# Altium PCB MCISO-P01-V01.PcbDoc
Units mil, origin at the board's own origin, x right, y up, seen from the top; angles counter-clockwise.
Board outline 6000 x 4000 mil, 2 copper layers (Top Layer, Bottom Layer); 122 components, 89 nets, 482 pads, 0 vias.
Unrouted connection lines stored in the file: 332.
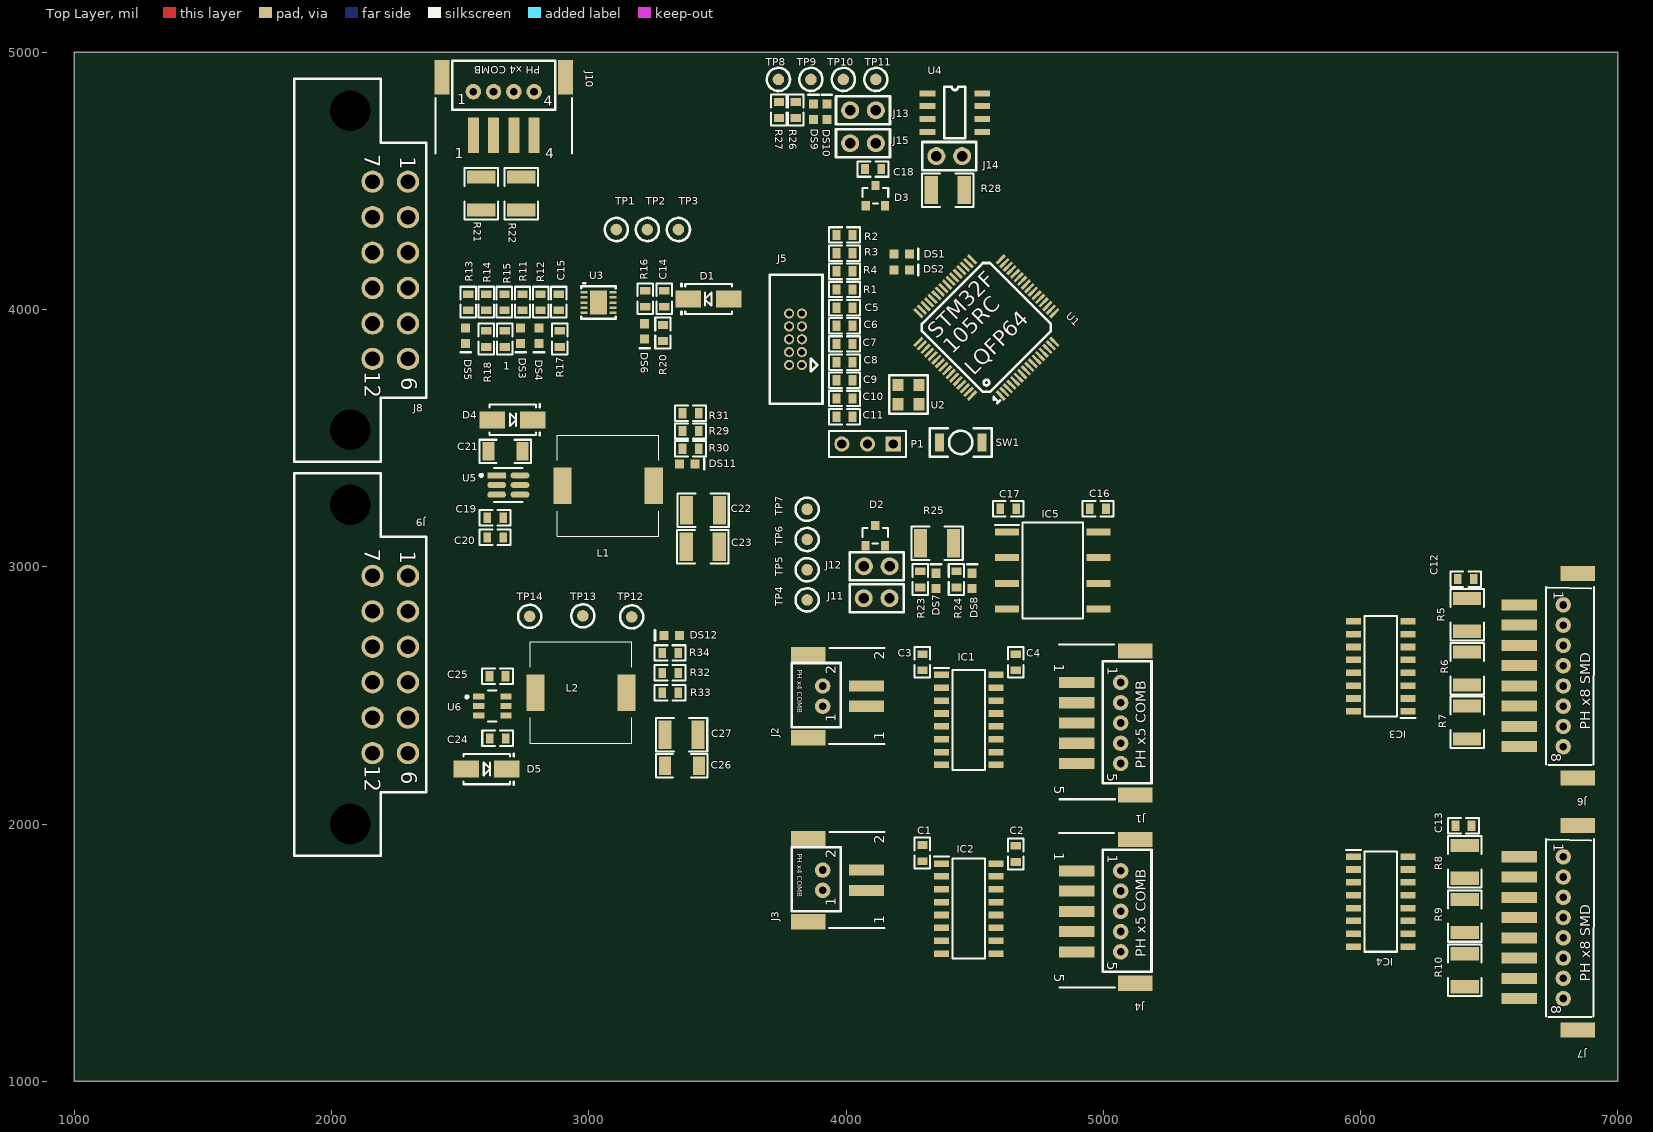
[diagram p0: Top Layer view]
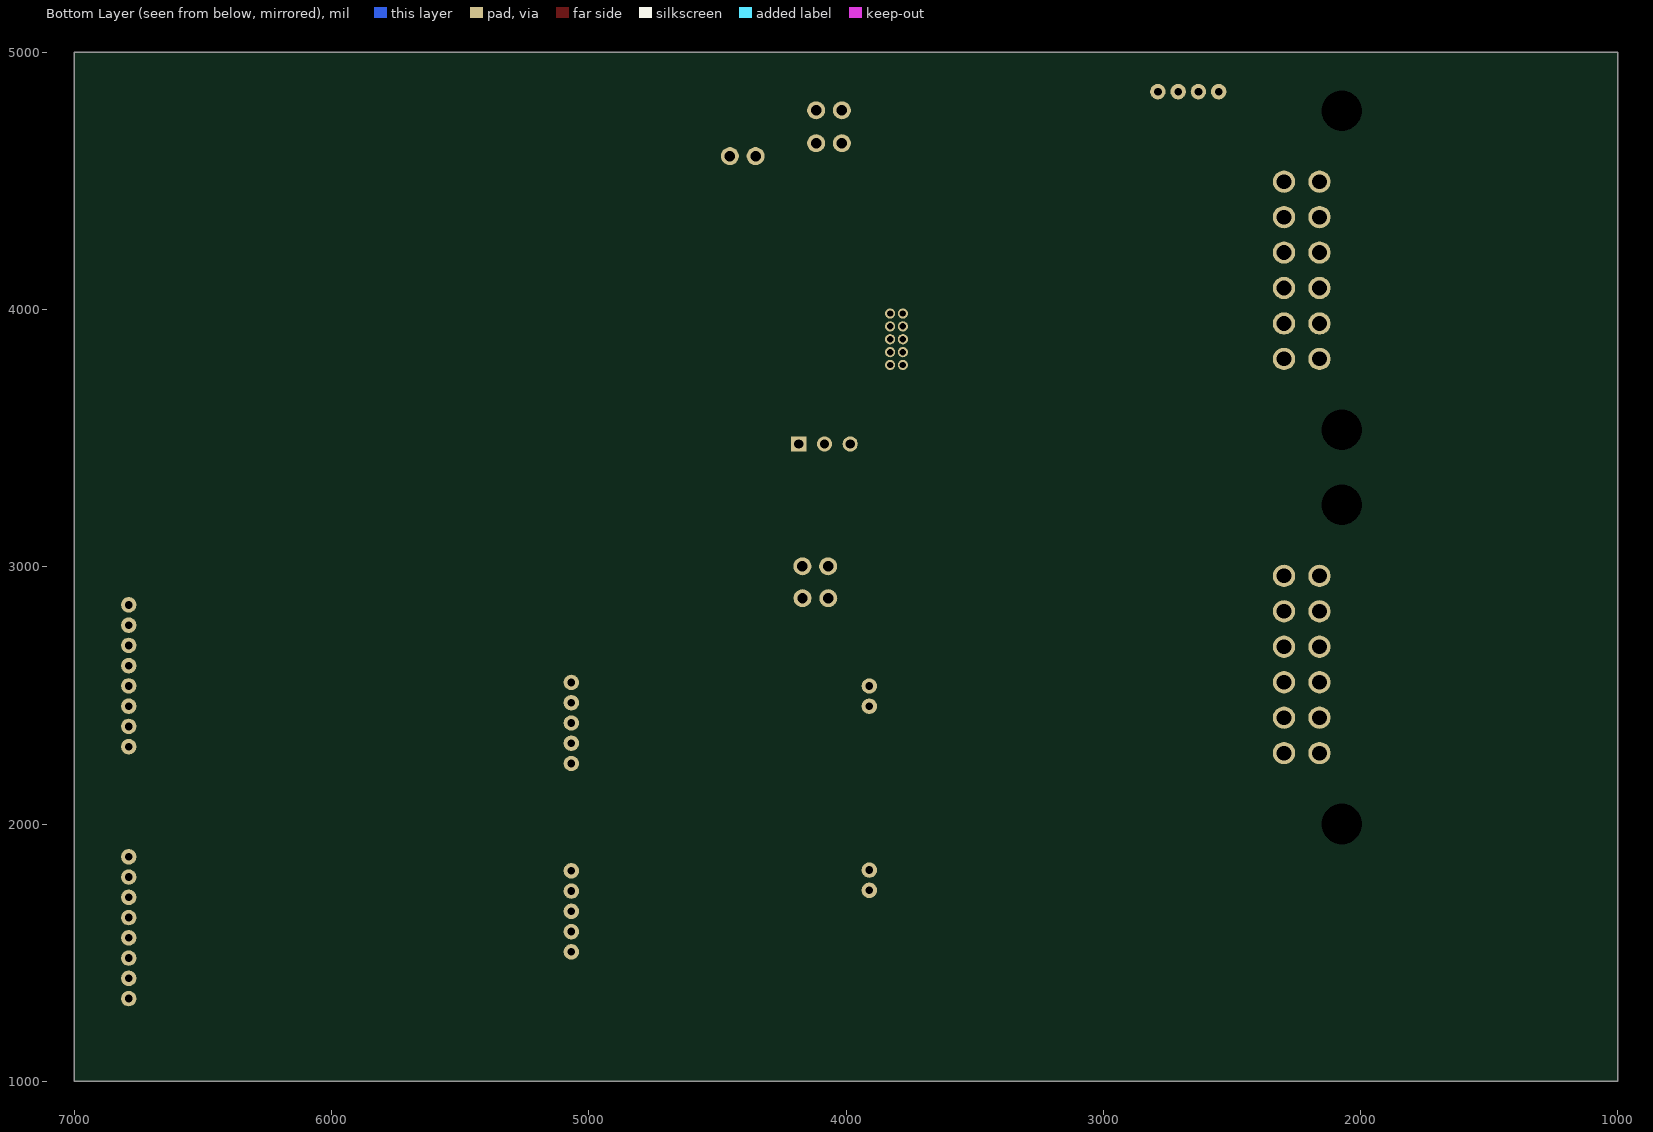
[diagram p1: Bottom Layer view, seen from below]

## Layer stack, top to bottom
Top Solder: solder mask 0.4, Solder Resist, Dk 3.5
Top Layer: signal copper 1.4
Dielectric 1: dielectric 12.6, FR-4, Dk 4.8
Bottom Layer: signal copper 1.4
Bottom Solder: solder mask 0.4, Solder Resist, Dk 3.5

## Board outline
1000,1000 7000,1000 7000,5000 1000,5000

## Design rules (kind name [scope] priority, off if disabled: settings)
Clearance [All] p1: gap=10 ignorepadtopadclearanceinfootprint=FALSE except(0: Arc-Hole Track-Hole SMDPad-Hole THPad-Hole Via-Hole Fill-Hole Poly-Hole Region-Hole Text-Hole)
PolygonConnect [All] p1: connectstyle=Relief reliefconductorwidth=10 reliefentries=4 polygonreliefangle="90 Angle" airgapwidth=10
RoomDefinition U_CAN_MAIN [InComponentClass('U_CAN_MAIN')] p1: confinementstyle=ConfineIn formatcopy=TRUE lockcomponents=FALSE outline 3675.18,4372.9 4625.97,4372.9 4625.97,4992 3675.18,4992
RoomDefinition U_MCISO-S04-V00-Microcontroller [InComponentClass('U_MCISO-S04-V00-Microcontroller')] p2: confinementstyle=ConfineIn formatcopy=TRUE lockcomponents=FALSE outline 3678.15,3413.39 4919.29,3413.39 4919.29,4342.52 3678.15,4342.52
RoomDefinition U_PSU5V-400mA [InComponentClass('U_PSU5V-400mA')] p3: confinementstyle=ConfineIn formatcopy=TRUE lockcomponents=FALSE outline 2437.31,2993.11 3636.13,2993.11 3636.13,3656.5 2437.31,3656.5
RoomDefinition U_PSU3V3-300mA [InComponentClass('U_PSU3V3-300mA')] p4: confinementstyle=ConfineIn formatcopy=TRUE lockcomponents=FALSE outline 2437.31,2129.92 3592.82,2129.92 3592.82,2955.71 2437.31,2955.71
RoomDefinition U_VCU-S02-V00-12VProtection [InComponentClass('U_VCU-S02-V00-12VProtection')] p5: confinementstyle=ConfineIn formatcopy=TRUE lockcomponents=FALSE outline 3665.35,4987.2 1004.92,4987.2 1004.92,1837.6 3665.35,1837.6
RoomDefinition U_MCISO-S05-V00-CANIsolation [InComponentClass('U_MCISO-S05-V00-CANIsolation')] p6: confinementstyle=ConfineIn formatcopy=TRUE lockcomponents=FALSE outline 3694.36,2774.61 5150.33,2774.61 5150.33,3334.65 3694.36,3334.65
RoomDefinition U_MCISO-S08-V00-HallDifferentials [InComponentClass('U_MCISO-S08-V00-HallDifferentials')] p7: confinementstyle=ConfineIn formatcopy=TRUE lockcomponents=FALSE outline 6962.6,1063.39 6962.6,3115.64 5774.35,3115.64 5774.35,1063.39
RoomDefinition MCISO-S01-V00-Master [InComponentClass('MCISO-S01-V00-Master')] p8: confinementstyle=ConfineIn formatcopy=TRUE lockcomponents=FALSE outline 3694.72,1243.11 5208.5,1243.11 5208.5,2708.66 3694.72,2708.66
RoutingVias [All] p1: holewidth=28 width=50 viastyle="Through Hole" minholewidth=28 minwidth=50 maxholewidth=28 maxwidth=50
SolderMaskExpansion [All] p1: expansion=4 istentingtop=FALSE
Width [All] p1: maxlimit=10 minlimit=10 preferedwidth=10
30 further rules are at their usual default settings.

## Classes and differential pairs
component class U_PSU5V-400mA: C19 C20 C21 C22 C23 D4 DS11 L1 R29 R30 R31 U5
component class U_PSU3V3-300mA: C24 C25 C26 C27 D5 DS12 L2 R32 R33 R34 TP12 TP13 TP14 U6
component class U_CAN_MAIN: C18 D3 DS9 DS10 J13 J14 J15 R26 R27 R28 TP8 TP9 TP10 TP11 U4
component class U_MCISO-S05-V00-CANIsolation: C16 C17 D2 DS7 DS8 IC5 J11 J12 R23 R24 R25 TP4 TP5 TP6 TP7
component class U_VCU-S02-V00-12VProtection: 1 C14 C15 D1 DS3 DS4 DS5 DS6 J8 J9 J10 R11 R12 R13 R14 R15 R16 R17 R18 R20 R21 R22 TP1 TP2 TP3 U3
component class U_MCISO-S08-V00-HallDifferentials: C12 C13 IC3 IC4 J6 J7 R5 R6 R7 R8 R9 R10
component class U_MCISO-S04-V00-Microcontroller: C5 C6 C7 C8 C9 C10 C11 DS1 DS2 J5 P1 R1 R2 R3 R4 SW1 U1 U2
component class MCISO-S01-V00-Master: C1 C2 C3 C4 Connector? IC1 IC2 J1 J2 J3 J4 NCM?

## Components (designator, comment, footprint, x,y, rotation, side; value= is the part's Value field where it differs from the comment)
1 "240k 5%" Res_ThinFilm_0603 2673.11,3885.83 r90 top (schematic designator R19)
C1 "100nF" Cap_Ceramic_0603 4297.09,1886.81 r270 top
C2 "100nF" Cap_Ceramic_0603 4660.28,1883.86 r270 top
C3 "100nF" Cap_Ceramic_0603 4297.09,2628.94 r270 top
C4 "100nF" Cap_Ceramic_0603 4660.28,2628.94 r270 top
C5 "100nF" Cap_Ceramic_0603 3993.94,4007.39 r0 top
C6 "100nF" Cap_Ceramic_0603 3993.94,3936.77 r0 top
C7 "100nF" Cap_Ceramic_0603 3993.94,3866.15 r0 top
C8 "100nF" Cap_Ceramic_0603 3993.94,3795.53 r0 top
C9 "4u7" Cap_Ceramic_0603 3993.94,3724.91 r0 top
C10 "100nF 100V" Cap_Ceramic_0603 3993.94,3654.28 r0 top
C11 "100nF 100V" Cap_Ceramic_0603 3993.94,3583.66 r0 top
C12 "0.1u" Cap_Ceramic_0603 6409.37,2952.17 r180 top
C13 "0.1u" Cap_Ceramic_0603 6400.51,1993.5 r180 top
C14 "4u7 50V 5%" Cap_Ceramic_0603 3293.62,4042.02 r90 top
C15 "470nF 50V 5%" Cap_Ceramic_0603 2882.95,4028.54 r90 top
C16 "4u7" Cap_Ceramic_0603 4979.33,3225.39 r180 top
C17 "4u7" Cap_Ceramic_0603 4630.65,3225.39 r180 top
C18 "100nF 100V" Cap_Ceramic_0603 4105.3,4546.13 r0 top
C19 "100nF 50V" Cap_Ceramic_0603 2636.09,3190.94 r0 top
C20 "100nF 50V" Cap_Ceramic_0603 2636.09,3114.17 r0 top
C21 "22uF 35V 1206" Cap_Ceramic_1206 2676.09,3448.82 r0 top
C22 "47uF 16V 1210" Cap_Ceramic_1210 3444.2,3219.49 r0 top
C23 "47uF 16V 1210" Cap_Ceramic_1210 3443.21,3077.76 r0 top
C24 "100nF 50V" Cap_Ceramic_0603 2645.83,2332.68 r0 top
C25 "100nF 50V" Cap_Ceramic_0603 2645.1,2573.82 r0 top
C26 "22uF 35V" Cap_Ceramic_1206 3361.78,2226.38 r180 top
C27 "47uF 16V 1210" Cap_Ceramic_1210 3360.65,2346.46 r0 top
D1 "1N4448WQ-7-F" SMA 3465.63,4041.02 r180 top
D2 "NUP2105L" NUP2105L 4113.65,3121.06 r0 top
D3 "NUP2105L" NUP2105L 4114.16,4442.79 r0 top
D4 "B260A-13-F" SMA 2704.04,3570.87 r0 top
D5 "B260A-13-F" SMA 2602.78,2213.58 r0 top
DS1 "LED Orange" "LED ORANGE 0603" 4216.02,4215.55 r0 top
DS2 "LED Orange" "LED ORANGE 0603" 4216.02,4153.54 r0 top
DS3 "LED Red 0603" "LED RED 0603" 2735.37,3898.33 r270 top
DS4 "LED Red 0603" "LED RED 0603" 2806.62,3898.33 r270 top
DS5 "LED Green 0603" "LED GREEN 0603" 2521.6,3898.33 r270 top
DS6 "LED Green 0603" "LED GREEN 0603" 3217.59,3914.72 r270 top
DS7 "LED Blue 0603" "LED BLUE 0603" 4350.12,2944.79 r90 top
DS8 "LED Blue 0603" "LED BLUE 0603" 4490.66,2944.79 r90 top
DS9 "LED Blue 0603" "LED BLUE 0603" 3874,4769.56 r90 top
DS10 "LED Blue 0603" "LED BLUE 0603" 3925.18,4769.46 r90 top
DS11 "LED Green 0603" "LED GREEN 0603" 3383.47,3399.61 r0 top
DS12 "LED Green 0603" "LED GREEN 0603" 3322.36,2733.27 r180 top
IC1 "SI8640BB-B-IS1R" SOIC127P600X175-16N 4477.2,2404.53 r0 top
IC2 "SI8640BB-B-IS1R" SOIC127P600X175-16N 4477.2,1671.26 r0 top
IC3 "AM26LS32ACDR" SOIC127P600X175-16N 6078.74,2612.99 r180 top
IC4 "AM26LS32ACDR" SOIC127P600X175-16N 6078.74,1698.23 r0 top
IC5 "ISO1050DUBR" SOP254P1040X485-8N 4803.61,2985.24 r0 top
J1 "JST PH 5x RIGHT COMB" "JST PH 5x RIGHT COMB" 5182.76,2432.1 r270 top
J2 "JST PH 2x RIGHT COMB" "JST PH 2x RIGHT COMB" 3794.29,2575.79 r90 top
J3 "JST PH 2x RIGHT COMB" "JST PH 2x RIGHT COMB" 3794.29,1860.24 r90 top
J4 "JST PH 5x RIGHT COMB" "JST PH 5x RIGHT COMB" 5182.76,1699.8 r270 top
J5 "IDC 10P 2x5 1.27mm" "IDC 1.27MM 10P" 3803.74,3884.45 r90 top
J6 "JST PH 8x Right comb" "JST PH 8x RIGHT SMD" 6902.95,2654.92 r270 top
J7 "JST PH 8x Right comb" "JST PH 8x RIGHT SMD" 6902.95,1675.59 r270 top
J8 "MX120G" MX120G 2297.25,4152.56 r270 top
J9 "MX120G" MX120G 2297.24,2620.08 r270 top
J10 "JST PH 4x RIGHT COMB" "JST PH 4x RIGHT COMB" 2669.37,4962.13 r0 top
J11 "Jumper 2Way Pins" Jumper_2Way_Pin 4168.97,2877.83 r0 top
J12 "Jumper 2Way Pins" Jumper_2Way_Pin 4169.56,3001.85 r0 top
J13 "Jumper 2Way Pins" Jumper_2Way_Pin 4016.12,4774.48 r180 top
J14 "Jumper 2Way Pins" Jumper_2Way_Pin 4451.36,4596.33 r0 top
J15 "Jumper 2Way Pins" Jumper_2Way_Pin 4016.12,4646.53 r180 top
L1 "SRU1048-470Y" SRU1048470Y 3075.1,3314.96 r0 top
L2 "SRU1048-470Y" SRU1048470Y 2969.91,2510.83 r0 top
P1 "Header 3" HDR1X3 4183.66,3477.36 r180 top
R1 "10k 1% 0603" Res_ThinFilm_0603 3993.94,4078.02 r0 top
R2 "4k7" Res_ThinFilm_0603 3993.94,4289.88 r0 top
R3 "330R" Res_ThinFilm_0603 3993.94,4219.26 r0 top
R4 "330R" Res_ThinFilm_0603 3993.94,4148.64 r0 top
R5 "120R" Res_ThinFilm_1210 6414.37,2813.14 r90 top
R6 "120R" Res_ThinFilm_1210 6414.37,2604.11 r270 top
R7 "120R" Res_ThinFilm_1210 6414.37,2395.08 r270 top
R8 "120R" Res_ThinFilm_1210 6405.51,1852.83 r270 top
R9 "120R" Res_ThinFilm_1210 6405.51,1642.17 r270 top
R10 "120R" Res_ThinFilm_1210 6405.51,1431.5 r270 top
R11 "4k7 5% 0603" Res_ThinFilm_0603 2742.4,4028.54 r90 top
R12 "4k7 5% 0603" Res_ThinFilm_0603 2812.68,4028.54 r90 top
R13 "4k7 5% 0603" Res_ThinFilm_0603 2531.59,4028.54 r90 top
R14 "2M2 1%" Res_ThinFilm_0603 2601.86,4028.54 r90 top
R15 "2M2 1%" Res_ThinFilm_0603 2672.13,4028.54 r90 top
R16 "4k7 5% 0603" Res_ThinFilm_0603 3219.57,4042.02 r90 top
R17 "150k 5% 0603" Res_ThinFilm_0603 2886.88,3885.83 r90 top
R18 "390k 5%" Res_ThinFilm_0603 2601.86,3885.83 r90 top
R20 "1k 5% 0603" Res_ThinFilm_0603 3288.45,3908.72 r90 top
R21 "22R" Res_ThinFilm_1210 2581.64,4450.79 r270 top
R22 "22R" Res_ThinFilm_1210 2737.15,4450.79 r270 top
R23 "330R" Res_ThinFilm_0603 4288.85,2950.79 r90 top
R24 "330R" Res_ThinFilm_0603 4429.39,2950.79 r90 top
R25 "120R 1% 1210" Res_ThinFilm_1210 4353.81,3091.54 r0 top
R26 "330R" Res_ThinFilm_0603 3804.16,4775.46 r90 top
R27 "330R" Res_ThinFilm_0603 3739.16,4775.46 r90 top
R28 "120R 1% 1210" Res_ThinFilm_1210 4395.65,4464.44 r0 top
R29 "111k 1%" Res_ThinFilm_0603 3395.97,3527.56 r0 top
R30 "1k" Res_ThinFilm_0603 3395.97,3458.66 r0 top
R31 "20k 1%" Res_ThinFilm_0603 3395.97,3596.46 r180 top
R32 "64k9 1%" Res_ThinFilm_0603 3316.36,2587.32 r180 top
R33 "1k" Res_ThinFilm_0603 3316.36,2509.84 r180 top
R34 "19k6 1%" Res_ThinFilm_0603 3316.36,2664.79 r0 top
SW1 "B3U-1000P" "BTN B3U-1000P" 4445.87,3483.43 r180 top
TP1 "TestPoint" TestPointSMD 3107.22,4311.02 r0 top
TP2 "TestPoint" TestPointSMD 3227.82,4311.02 r0 top
TP3 "TestPoint" TestPointSMD 3348.43,4311.02 r0 top
TP4 "TestPoint_SMD" TestPointSMD 3848.89,2871.06 r90 top
TP5 "TestPoint_SMD" TestPointSMD 3848.89,2988.52 r90 top
TP6 "TestPoint_SMD" TestPointSMD 3848.89,3105.97 r90 top
TP7 "TestPoint_SMD" TestPointSMD 3848.89,3223.43 r90 top
TP8 "TestPoint_SMD" TestPointSMD 3737.19,4894.56 r0 top
TP9 "TestPoint_SMD" TestPointSMD 3863.5,4894.56 r0 top
TP10 "TestPoint_SMD" TestPointSMD 3989.81,4894.56 r90 top
TP11 "TestPoint_SMD" TestPointSMD 4116.12,4894.56 r90 top
TP12 "TestPoint_SMD" TestPointSMD 3166.76,2805.12 r90 top
TP13 "TestPoint_SMD" TestPointSMD 2976.8,2809.06 r90 top
TP14 "TestPoint_SMD" TestPointSMD 2770.1,2807.09 r90 top
U1 "STM32F105RC" STM32F105RC 4601.52,3665.8 r45 top
U2 "DSC1001DI1-008.0000T" DSC1001DI1-008.0000TCT-ND 4242.98,3669.48 r90 top
U3 "MAX17612A" "10-Pin TDFN EP" 3037.48,4066.61 r270 top
U4 "SN65HVD233" SN65HVD233DR 4423.21,4765.62 r0 top
U5 "LMR14010" LMR14010 2686.79,3318.56 r0 top
U6 "LMR14010ADDCR" FP-DDC0006A-MFG 2625.42,2458.66 r0 top

## Footprints (in the part's own frame and the unit in brackets; to place one, negate y for a bottom-side part, rotate by r counter-clockwise, add the part's x,y. Pads: shape width x height; smd on the part's side, far side on the other; paste and mask are expansions set on the pad)
"10-Pin TDFN EP" [mm]
  rect 0.25x0.7 smd: 1(0,-1.425) 2(0.5,-1.425) 3(1,-1.425) 4(1.5,-1.425) 5(2,-1.425) 6(2,1.425) 7(1.5,1.425) 8(1,1.425) 9(0.5,1.425) 10(0,1.425)
  rect 2.38x1.65 smd: 11(1,0)
  silkscreen extent -0.9,-1.7 2.6,1.7
"BTN B3U-1000P" [mil] "OMRON B3U-1000P"
  rect 35x70 smd: 1(-82.68,0) 2(82.68,0)
  silkscreen extent -120,-55 120,55, body extent -79,-49 79,49, height 63
Cap_Ceramic_0603 [mil]
  rect 30x40 smd: 1(-31.24,0) 2(31.24,0)
  silkscreen extent -60,-30 60,30, body extent -31,-16 32,16, height 33
Cap_Ceramic_1206 [mil]
  rect 47x71 smd: 1(-66.08,0) 2(66.08,0)
  silkscreen extent -100,-45 100,45, body extent -63,-31 63,32, height 53
Cap_Ceramic_1210 [mm]
  rect 1.3x2.8 smd: 1(-1.625,0) 2(1.625,0)
  silkscreen extent -2.54,-1.65 2.54,1.65, body extent -1.6,-1.25 1.6,1.25, height 1.35
DSC1001DI1-008.0000TCT-ND [mil]
  rect 48x43 smd: 1(-37.4,41.34) 2(37.4,41.34) 3(37.4,-41.34) 4(-37.4,-41.34)
  silkscreen extent -75,-75 75,75, body extent -49,-63 49,63, height 33
FP-DDC0006A-MFG [mm]
  rect 1.1x0.6 smd paste+0 mask+0: 1(-1.35,0.95) 2(-1.35,0) 3(-1.35,-0.95) 4(1.35,-0.95) 5(1.35,0) 6(1.35,0.95)
  silkscreen extent -2.65,-1.53 0.43,1.53, body extent -2,-1.63 2,1.63, height 0.25
HDR1X3 [mm] "Connector; Header; 3 Position"
  rect 1.5x1.5 hole 0.9: 1(0,0)
  round 1.5 hole 0.9: 2(2.54,0) 3(5.08,0)
  silkscreen extent -1.27,-1.27 6.35,1.27
"IDC 1.27MM 10P" [mil]
  round 40 hole 25: 1(-100,-25) 2(-100,25) 3(-50,-25) 4(-50,25) 5(0,-25) 6(0,25) 7(50,-25) 8(50,25) 9(100,-25) 10(100,25)
  silkscreen extent -250,-105 250,100, body extent -249,-104 249,100, height 214
"JST PH 2x RIGHT COMB" [mm]
  round 1.524 hole 0.762: 1(-3,-2.921) 2(-1,-2.921)
  rect 1.1x3.5 smd: 1(-3,-7.25) 2(-1,-7.25)
  rect 1.5x3.4 smd: M(-6.1,-1.5) M(2.1,-1.5)
  silkscreen extent -6.73,-9.04 2.75,0.13, body extent -6.17,-8.03 1.97,0.23, height 5.89
"JST PH 4x RIGHT COMB" [mm]
  rect 1.1x3.5 smd: 1(-3,-7.25) 2(-1,-7.25) 3(1,-7.25) 4(3,-7.25)
  round 1.524 hole 0.762: 1(-3,-2.921) 2(-1,-2.921) 3(1,-2.921) 4(3,-2.921)
  rect 1.5x3.4 smd: M(-6.1,-1.5) M(6.1,-1.5)
  silkscreen extent -6.73,-9.02 6.73,0.13, body extent -6.07,-8.2 6.07,0.06, height 5.89
"JST PH 5x RIGHT COMB" [mm]
  round 1.524 hole 0.762: 1(-3,-2.921) 2(-1,-2.921) 3(1,-2.921) 4(3,-2.921) 5(5,-2.921)
  rect 1.1x3.5 smd: 1(-3,-7.25) 2(-1,-7.25) 3(1,-7.25) 4(3,-7.25) 5(5,-7.25)
  rect 1.5x3.4 smd: M(-6.1,-1.5) M(8.1,-1.5)
  silkscreen extent -6.73,-9.02 8.53,0.13, body extent -6,-8.03 8.15,0.23, height 5.89
"JST PH 8x RIGHT SMD" [mm]
  round 1.524 hole 0.762: 1(-5,-2.91) 2(-3,-2.91) 3(-1,-2.91) 4(1,-2.91) 5(3,-2.91) 6(5,-2.91) 7(7,-2.91) 8(9,-2.91)
  rect 1.1x3.5 smd: 1(-5,-7.25) 2(-3,-7.25) 3(-1,-7.25) 4(1,-7.25) 5(3,-7.25) 6(5,-7.25) 7(7,-7.25) 8(9,-7.25)
  rect 1.5x3.4 smd: M(-8.1,-1.5) M(12.1,-1.5)
  silkscreen extent -6.78,-4.6 10.8,0.13, body extent -8.12,-8 12.03,0.25, height 5.89
Jumper_2Way_Pin [mil]
  round 70 hole 40: 1(-100,0) 2(0,0)
  silkscreen extent -155,-55 55,55, body extent -142,-48 42,47, height 332
"LED BLUE 0603" [mil]
  rect 35x35 smd: 1(-30,0) 2(30,0)
  silkscreen extent 65,-20 65,20, body extent -40,-20 40,20, height 30
"LED GREEN 0603" [mil]
  rect 35x35 smd: 1(-30,0) 2(30,0)
  silkscreen extent 65,-20 65,20, body extent -40,-20 40,20, height 30
"LED ORANGE 0603" [mil]
  rect 35x35 smd: 1(-30,0) 2(30,0)
  silkscreen extent 65,-20 65,20, body extent -40,-20 40,20, height 30
"LED RED 0603" [mil]
  rect 35x35 smd: 1(-30,0) 2(30,0)
  silkscreen extent 65,-20 65,20, body extent -40,-20 40,20, height 30
LMR14010 [mil]
  rect 73.01x24.1 smd paste+0 mask+0: 1(-44.73,36.75)
  rrect100% 73.01x24.1 smd paste+0 mask+0: 2(-44.73,-0.65) 3(-44.73,-38.05) 4(45.84,-38.05) 5(45.84,-0.65) 6(45.84,36.75)
  silkscreen extent -110,-68 56,66, body extent -55,-58 56,56, height 43
MX120G [mm]
  round 2.2 hole 1.45: 1(-8.75,0) 2(-5.25,0) 3(-1.75,0) 4(1.75,0) 5(5.25,0) 6(8.75,0) 7(-8.75,-3.5) 8(-5.25,-3.5) 9(-1.75,-3.5) 10(1.75,-3.5) 11(5.25,-3.5) 12(8.75,-3.5)
  round 0 hole 4 mask+0.254: NC(-15.75,-5.7) NC(15.75,-5.7)
  silkscreen extent -18.9,-11.25 18.9,1.8, body extent -18.78,-32.1 18.58,0.36, height 24.48
NUP2105L [mm]
  rect 0.8x0.9 smd: 1(-0.95,-1) 2(0.95,-1) 3(0,1)
  silkscreen extent -1.27,-0.76 1.27,0.76, body extent -1.45,-1.22 1.45,1.18, height 1
Res_ThinFilm_0603 [mil]
  rect 30x40 smd: 1(-31.24,0) 2(31.24,0)
  silkscreen extent -60,-30 60,30, body extent -31,-16 32,16, height 18
Res_ThinFilm_1210 [mm]
  rect 1.3x2.8 smd: 1(-1.625,0) 2(1.625,0)
  silkscreen extent -2.54,-1.65 2.54,1.65, body extent -1.6,-1.25 1.6,1.25, height 0.6
SMA [mm]
  rect 2.5x1.7 smd: A(-2,0) K(2,0)
  silkscreen extent -2.3,-1.52 2.67,1.52, body extent -2.52,-1.46 2.52,1.46, height 2.4
SN65HVD233DR [mm]
  rect 1.55x0.6 smd: 1(-2.7,1.903) 2(-2.7,0.633) 3(-2.7,-0.637) 4(-2.7,-1.907) 5(2.7,-1.907) 6(2.7,-0.637) 7(2.7,0.633) 8(2.7,1.903)
  silkscreen extent -1.04,-2.54 1.04,2.54, body extent -3.01,-2.45 3.01,2.45, height 1.63
SOIC127P600X175-16N [mm]
  rect 1.5x0.65 smd: 1(-2.7,4.445) 2(-2.7,3.175) 3(-2.7,1.905) 4(-2.7,0.635) 5(-2.7,-0.635) 6(-2.7,-1.905) 7(-2.7,-3.175) 8(-2.7,-4.445) 9(2.7,-4.445) 10(2.7,-3.175) 11(2.7,-1.905) 12(2.7,-0.635) 13(2.7,0.635) 14(2.7,1.905) 15(2.7,3.175) 16(2.7,4.445)
  silkscreen extent -3.45,-4.95 1.6,5.12, body extent -3,-4.95 3,4.95, height 1.75
SOP254P1040X485-8N [mm]
  rect 2.35x0.7 smd: 1(-4.525,3.81) 2(-4.525,1.27) 3(-4.525,-1.27) 4(-4.525,-3.81) 5(4.525,-3.81) 6(4.525,-1.27) 7(4.525,1.27) 8(4.525,3.81)
  silkscreen extent -5.7,-4.75 3,4.75, body extent -5.2,-4.75 5.2,4.75, height 4.85
SRU1048470Y [mm]
  rect 1.8x3.6 smd: 1(-4.5,0) 2(4.5,0)
  silkscreen extent -5,-5 5,5, body extent -5,-5 5,5, height 4.8
STM32F105RC [mm]
  rect 0.3x1.2 smd: 1(0,0) 2(0.5,0) 3(1,0) 4(1.5,0) 5(2,0) 6(2.5,0) 7(3,0) 8(3.5,0) 9(4,0) 10(4.5,0) 11(5,0) 12(5.5,0) 13(6,0) 14(6.5,0) 15(7,0) 16(7.5,0) 33(7.5,11.5) 34(7,11.5) 35(6.5,11.5) 36(6,11.5) 37(5.5,11.5) 38(5,11.5) 39(4.5,11.5) 40(4,11.5) 41(3.5,11.5) 42(3,11.5) 43(2.5,11.5) 44(2,11.5) 45(1.5,11.5) 46(1,11.5) 47(0.5,11.5) 48(0,11.5)
  rect 1.2x0.3 smd: 17(9.5,2) 18(9.5,2.5) 19(9.5,3) 20(9.5,3.5) 21(9.5,4) 22(9.5,4.5) 23(9.5,5) 24(9.5,5.5) 25(9.5,6) 26(9.5,6.5) 27(9.5,7) 28(9.5,7.5) 29(9.5,8) 30(9.5,8.5) 31(9.5,9) 32(9.5,9.5) 49(-2,9.5) 50(-2,9) 51(-2,8.5) 52(-2,8) 53(-2,7.5) 54(-2,7) 55(-2,6.5) 56(-2,6) 57(-2,5.5) 58(-2,5) 59(-2,4.5) 60(-2,4) 61(-2,3.5) 62(-2,3) 63(-2,2.5) 64(-2,2)
  silkscreen extent -1,-0.3 8.5,10.5, body extent -2.25,-0.25 9.75,11.75, height 1.6
TestPointSMD [mil]
  round 45 smd: 1(0,0)
  silkscreen extent -45,-45 45,45

## Part data
1: library part "240k 5% 0603", "Resistor, SMD, 240k, 0.1W, 5%, 0603"
C1 C2 C3 C4 C5 C6 C7 C8 C19 C20 C24 C25: library part "100nF 50V 5% X7R 0603", "Capacitor, Ceramic, SMD, 100nF, 50V, 5%, X7R, 0603"
C9 C12 C13 C14 C16 C17: library part "4u7 50V 5% X7R 0603", "Capacitor, Ceramic, SMD, 4u7, 50V, 5%, X7R, 0603"
C10 C11 C18: library part "100nF 100V 5% X7R 0603", "Capacitor, Ceramic, SMD, 100nF, 100V, 5%, X7R, 0603"
C15: library part "470nF 50V 5% X7R 0603", "Capacitor, Ceramic, SMD, 470nF, 50V, 5%, X7R, 0603"
C21: library part "22uF 35V 10% X7R 1206", "Capacitor, Ceramic, SMD, 22uF, 35V, 10%, X7R, 1206"
C22 C23 C27: library part "47uF 16V 10% X7R 1210", "Capacitor, Ceramic, SMD, 47uF, 16V, 5%, X7R, 1210"
C26: library part "22uF 35V 20% X5R 1206", "22µF ±20% 35V Ceramic Capacitor X5R 1206 (3216 Metric)", ComponentLink1Description=Digikey, ComponentLink1URL=https://www.digikey.com.au/product-detail/en/tdk-corporation/C3216X5R1V226M160AC/445-8045-1-ND/2792165, ComponentLink2Description=Datasheet, ComponentLink2URL=https://product.tdk.com/info/en/catalog/datasheets/mlcc_commercial_general_en.pdf
D1: "Diode, SMD, 75V, 5%, 250mA, SOD123", Average Rectified Current=150mA, Forward Voltage=1V, Manufacturer="ON Semiconductor / Fairchild", Manufacturer Part Number=1N914BWS, Max Forward Surge Current (Ifsm)=4A, Max Operating Temperature=150°C, Max Repetitive Reverse Voltage (Vrrm)=75V, Max Reverse Leakage Current=5uA, Min Operating Temperature=-55°C, Package Quantity=1, Power Dissipation=200mW, Category="Rectifier Diodes", Contact Plating=Tin,Matte, Element Configuration=Single, Forward Current=150mA, Height=1mm, Lead Free="Lead Free", Length=1.8mm, Max Reverse Voltage (DC)=75V, Mount="Surface Mount", Number of Pins=2, Packaging="Tape and Reel", Peak Reverse Current=5uA, Radiation Hardening=No, REACH SVHC="No SVHC", Recovery Time=4ns, Reverse Recovery Time=4ns, Reverse Voltage=75V, Weight=0.0276g, Width=1.35mm
D4 D5: "Diode, Schottky Barrier Rectifier, 60 V, 2 A, B260A-13-F"
DS1 DS2: library part "LED ORANGE 0603"
DS7 DS8 DS9 DS10: library part "LED BLUE 0603"
IC1 IC2: "Integrated Circuit", Manufacturer_Name="Silicon Labs", Mouser Part Number=634-SI8640BB-B-IS1R, Arrow Part Number=SI8640BB-B-IS1R, Arrow Price/Stock=https://www.arrow.com/en/products/si8640bb-b-is1r/silicon-labs, Datasheet Link=https://www.arrow.com/en/products/si8640bb-b-is1r/silicon-labs, Height=1.75mm, Manufacturer_Part_Number=SI8640BB-B-IS1R, Mouser Price/Stock=https://www.mouser.co.uk/ProductDetail/Silicon-Labs/SI8640BB-B-IS1R?qs=j6MGy4L9yX09sv%252BEYaun9w%3D%3D
IC3 IC4: "Integrated Circuit", Manufacturer_Name="Texas Instruments", Mouser Part Number=595-AM26LS32ACDR, Arrow Part Number=AM26LS32ACDR, Arrow Price/Stock=https://www.arrow.com/en/products/am26ls32acdr/texas-instruments, Datasheet Link=http://www.ti.com/lit/gpn/am26ls32ac, Height=1.75mm, Manufacturer_Part_Number=AM26LS32ACDR, Mouser Price/Stock=https://www.mouser.co.uk/ProductDetail/Texas-Instruments/AM26LS32ACDR/?qs=L4Mc90zKIpjEhSPPcfdoEw%3D%3D
IC5: "Integrated Circuit", Manufacturer_Name="Texas Instruments", Mouser Part Number=595-ISO1050DUBR, Arrow Part Number=ISO1050DUBR, Arrow Price/Stock=https://www.arrow.com/en/products/iso1050dubr/texas-instruments, Datasheet Link=http://www.ti.com/lit/ds/symlink/iso1050.pdf, Height=4.85mm, Manufacturer_Part_Number=ISO1050DUBR, Mouser Price/Stock=https://www.mouser.co.uk/ProductDetail/Texas-Instruments/ISO1050DUBR?qs=IK5e5L0zOXhhp9hdAolE%252BA%3D%3D
J8 J9: "MX120G with standard connector layout"
J11 J12 J13 J14 J15: library part "Jumper 2Way Side Pins", "Jumper 2Way Side Pins"
L1 L2: "Inductor", Manufacturer_Name=Bourns, Mouser Part Number=652-SRU1048-470Y, Arrow Part Number=SRU1048-470Y, Arrow Price/Stock=https://www.arrow.com/en/products/sru1048-470y/bourns, Datasheet Link=https://componentsearchengine.com/Datasheets/2/SRU1048-470Y.pdf, Height=5.1mm, Manufacturer_Part_Number=SRU1048-470Y, Mouser Price/Stock=https://www.mouser.co.uk/ProductDetail/Bourns/SRU1048-470Y?qs=q9ZR8LvBB%2Fso%2FHnDojTedA%3D%3D
P1: "Header, 3-Pin", LatestRevisionDate=17-Jul-2002, LatestRevisionNote="Re-released for DXP Platform.", Publisher="Altium Limited"
R1: library part "20k 1% 0603", "Resistor, SMD, 20k, 0.1W, 5%, 0603"
R2: library part "4k7 5% 0603", "Resistor, SMD, 4k7, 0.1W, 5%, 0603"
R3 R4 R23 R24 R26 R27: library part "330R 5% 0603", "Resistor, SMD, 330R, 0.1W, 5%, 0603"
R5 R6 R7 R8 R9 R10 R21 R22: library part "120R 1% 1210", "Resistor, SMD, 120R, 0.25W, 1%, 1210"
R11 R12 R13 R16: "Resistor, SMD, 4k7, 0.1W, 5%, 0603"
R14 R15: library part "2M2 1% 0603", "Resistor, SMD, 2M2, 0.125W, 1%, 0603"
R17: library part "150k 5%, 0603", "Resistor, SMD, 150k, 0.1W, 5%, 0603"
R18: library part "390k 5% 0603", "Resistor, SMD, 390k, 0.1W, 5%, 0603"
R20: "Resistor, SMD, 1k, 0.1W, 5%, 0603"
R25 R28: "Resistor, SMD, 120R, 0.25W, 1%, 1210"
R29: library part "111k 1% 0603", "Resistor, SMD, 111k, 0.1W, 5%, 0603"
R30 R33: library part "1k 5% 0603", "Resistor, SMD, 1k, 0.1W, 5%, 0603"
R31: library part "20k 1% 0603", "Resistor, SMD, 20k, 0.1W, 1%, 0603"
R32: library part "64k9 1% 0603", "Resistor, SMD, 64k9, 0.1W, 5%, 0603"
R34: library part "19k6 1% 0603", "Resistor, SMD, 19k6, 0.1W, 5%, 0603"
SW1: library part "BTN B3U-1000P", "Omron B3U-1000P Ultra Miniture Switch", ComponentLink1Description=LCSC, ComponentLink1URL=https://lcsc.com/product-detail/Tactile-Switches_BRIGHT-TSA063G50-250_C294565.html
U1: "ARM® Cortex®-M3 STM32F1 Microcontroller IC 32-Bit 72MHz 256KB (256K x 8) FLASH 64-LQFP (10x10)", ComponentLink1Description=Digikey, ComponentLink1URL=https://www.digikey.com.au/product-detail/en/stmicroelectronics/STM32F105RCT6TR/497-17397-1-ND/8024118, ComponentLink2Description=Datasheet, ComponentLink2URL=https://www.st.com/content/ccc/resource/technical/document/datasheet/e4/f3/1a/89/5a/02/46/ae/CD00220364.pdf/files/CD00220364.pdf/jcr:content/translations/en.CD00220364.pdf
U2: "on 8MHz XO (Standard) CMOS Oscillator 1.8 ~ 3.3V Standby (Power Down) 4-SMD, No Lead"
U3: "4.5V to 60V, 250mA Current-Limiter with OV, UV, and Reverse Protection", ComponentLink1Description=Datasheet, ComponentLink1URL=https://datasheets.maximintegrated.com/en/ds/MAX17612A-MAX17612C.pdf
U6: library part CMP-04918-000056-1, "IC REG BUCK ADJ 1A TSOT23-6", Manufacturer="Texas Instruments", Max Junction Temp=+125°C, Max Supply Voltage=40V, Min Supply Voltage=4V, Output Current=1A, Package=DDC0006A, Switching Frequency=700kHz, Temperature="-40°C to +125°C", Temperature Range Low=-40°C, Automotive=No, Category=IC, ComponentLink2Description=Datasheet, ComponentLink2URL=https://www.ti.com/lit/ds/symlink/lmr14010a.pdf, Device Class L1="Integrated Circuits (ICs)", Device Class L2="Power Management ICs", Device Class L3="Voltage Regulators - Switching", Digikey Description="IC REG BUCK ADJ 1A TSOT23-6", Height=1.1mm, Ipc Land Pattern Name=SOT95P280X110-6, Lead Free=Yes, Manufacturer Part Number=LMR14010ADDCR, Max Duty Cycle=96%, Mouser Description="4-V to 40-V, 1-A Step-Down Converter With High Efficiency Eco-Mode 6-SOT-23-THIN -40 to 125", Number Of Outputs=1, Octopart=https://octopart.com/lmr14010addcr-texas+instruments-90753290, Output Type=AdjustableProgrammable, RoHS=TRUE, Standoff Height=0mm, Switching Topology=Buck, Temperature Range High=+125°C
D2 D3: ComponentLink1Description=Datasheet, ComponentLink1URL=https://www.onsemi.cn/PowerSolutions/document/NUP2105L-D.PDF, ComponentLink2Description=LCSC, ComponentLink2URL=https://lcsc.com/product-detail/TVS_ON-Semiconductor-NUP2105LT1G_C14486.html, ComponentLink3Description=Digikey, ComponentLink3URL=https://www.digikey.com.au/product-detail/en/on-semiconductor/SZNUP2105LT1G/SZNUP2105LT1GOSCT-ND/3487669
U4: ComponentLink1Description=LCSC, ComponentLink1URL=https://lcsc.com/product-detail/CAN-ICs_Texas-Instruments_SN65HVD233DRG4_Texas-Instruments-Texas-Instruments-SN65HVD233DRG4_C61643.html, ComponentLink2Description=Digikey, ComponentLink2URL=https://www.digikey.com.au/product-detail/en/texas-instruments/SN65HVD233DR/296-35967-1-ND/4134960, ComponentLink3Description=Datasheet, ComponentLink3URL=https://www.ti.com/lit/ds/symlink/sn65hvd233.pdf?ts=1588560888178, ComponentLink4Description="Ti Product Page", ComponentLink4URL=https://www.ti.com/product/SN65HVD233

## Nets (pads, with @x,y where several pads share a name; then routed paths per layer and width w, separated by ;. In a path a pad name is that pad's centre, name@x,y a point inside that pad or via, vN(x,y) a via of type N, cw(c..) or ccw(c..) an arc to the next point about the centre after c; other vN are vias at no path point)
3V3: C5.2 C6.2 C7.2 C8.2 C9.2 C10.2 C18.2 C27.2 J5.1 J11.1 J13.1 J15.1 L2.2 R2.2 R3.2 R4.2 R32.2 R33.2 TP12.1 U1.1 U1.13 U1.19 U1.32 U1.48 U1.64 U2.1 U2.4 U4.3
5V: C1.2 C3.2 C12.2 C13.2 C17.2 C22.2 C23.2 IC1.1 IC2.1 IC3.16 IC4.16 IC5.1 J6.1 J7.1 L1.2 R29.2 R30.2
"5V ISO": C16.2 IC5.8
"5V ISO A": C2.2 IC1.10 IC1.16 J1.1
"5V ISO B": C4.2 IC2.10 IC2.16 J4.1
12V: C15.2 C21.2 J8.4 J8.5 J8.10 J8.11 J9.4 J9.5 J9.10 J9.11 R11.2 R12.2 R13.2 R14.2 R15.2 TP1.1 U3.1 U5.4 U5.5
12VP: C14.2 C26.1 D1.K R16.2 TP2.1 U3.10 U6.4 U6.5
"CAN1 RX": IC5.3 R24.1 TP7.1 U1.57
"CAN1 TX": IC5.2 R23.1 TP5.1 U1.58
"CAN2 RX": R27.1 TP11.1 U1.33 U4.4
"CAN2 TX": R26.1 TP9.1 U1.34 U4.1
"CAN LED": DS7.1 DS8.1 J11.2
"CAN MAIN H": D3.2 J14.1 TP8.1 U4.7
"CAN MAIN L": D3.1 R28.1 TP10.1 U4.6
"CAN MAIN LBK": J15.2 U4.5
"CAN MAIN LED": DS9.1 DS10.1 J13.2
"CAN MAIN RX LED": DS10.2 R27.2
"CAN MAIN TX LED": DS9.2 R26.2
"CAN RX LED": DS8.2 R24.2
"CAN TX LED": DS7.2 R23.2
CANH: J8.2 J8.8 J9.2 J9.8
CANL: J8.1 J8.7 J9.1 J9.7
CLMODE: R17.2 U3.4
FLAG: DS4.2 U3.6
GND: 1.1 C1.1 C3.1 C5.1 C6.1 C7.1 C8.1 C9.1 C10.1 C11.1 C12.1 C13.1 C14.1 C15.1 C17.1 C18.1 C21.1 C22.1 C23.1 C26.2 C27.1 D1.A D3.3 D4.A D5.A DS5.2 DS6.2 DS11.2 DS12.2 IC1.2 IC1.6 IC1.8 IC2.2 IC2.6 IC2.8 IC3.4 IC3.8 IC3.12 IC3.13 IC3.14 IC3.15 IC4.4 IC4.8 IC4.12 IC4.13 IC4.14 IC4.15 IC5.4 J5.3 J5.5 J5.9 J6.8 J7.8 J8.3 J8.6 J8.9 J8.12 J9.3 J9.6 J9.9 J9.12 J10.4 P1.3 R1.1 R17.1 R18.1 R20.1 R31.1 R34.1 SW1.1 TP3.1 U1.6 U1.12 U1.18 U1.31 U1.47 U1.63 U2.2 U3.9 U3.11 U4.2 U4.8 U5.2 U6.2
"GND ISO": C16.1 IC5.5
"GND ISO A": IC1.9 IC1.11 IC1.15 J1.5
"GND ISO B": C2.1 C4.1 IC2.9 IC2.11 IC2.15 J4.5
"HALL 1A M1": IC4.2 J7.2 R8.1
"HALL 1A M2": IC3.2 J6.2 R5.1
"HALL 1B M1": IC4.1 J7.3 R8.2
"HALL 1B M2": IC3.1 J6.3 R5.2
"HALL 2A M1": IC4.6 J7.4 R9.1
"HALL 2A M2": IC3.6 J6.4 R6.1
"HALL 2B M1": IC4.7 J7.5 R9.2
"HALL 2B M2": IC3.7 J6.5 R6.2
"HALL 3A M1": IC4.10 J7.6 R10.1
"HALL 3A M2": IC3.10 J6.6 R7.1
"HALL 3B M1": IC4.9 J7.7 R10.2
"HALL 3B M2": IC3.9 J6.7 R7.2
"ISO GND": D2.3
"LED 5V": DS11.1 R30.1
"M1 H1": IC1.3 IC3.3
"M1 H1 ISO": IC1.14 J1.2
"M1 H2": IC1.4 IC3.5
"M1 H2 ISO": IC1.13 J1.3
"M1 H3": IC1.5 IC3.11
"M1 H3 ISO": IC1.12 J1.4
"M2 H1 ISO": IC2.14 J4.2
"M2 H2 ISO": IC2.13 J4.3
"M2 H3 ISO": IC2.12 J4.4
NetD2_1: D2.1 IC5.6 J2.2 J3.2 R25.1 TP6.1
NetD2_2: D2.2 IC5.7 J2.1 J3.1 J12.1 TP4.1
NetDS1_1: DS1.1 R3.1
NetDS2_1: DS2.1 R4.1
NetDS3_1: DS3.1 R11.1
NetDS4_1: DS4.1 R12.1
NetDS5_1: DS5.1 R13.1
NetDS6_1: DS6.1 R16.1
NetDS12_1: DS12.1 R33.1
NetIC2_3: IC2.3 IC4.3
NetIC2_4: IC2.4 IC4.5
NetIC2_5: IC2.5 IC4.11
NetJ10_2: J10.2 R21.1
NetJ10_3: J10.3 R22.1
NetJ12_2: J12.2 R25.2
NetJ14_2: J14.2 R28.2
NetR1_2: R1.2 U1.60
NRST: C11.2 J5.10 R2.1 SW1.2 U1.7
"ORANGE LED 1": DS1.2 U1.35
"ORANGE LED 2": DS2.2 U1.36
"OSC IN": U1.5 U2.3
OVLO: 1.2 R15.1 U3.3
"PWR CB 3V3": C24.1 C25.1 U6.1
"PWR CB 5V": C19.1 C20.1 U5.1
"PWR FB 3V3": R32.1 R34.2 TP14.1 U6.3
"PWR FB 5V": R29.1 R31.2 U5.3
"PWR SW 3V3": C24.2 C25.2 D5.K L2.1 TP13.1 U6.6
"PWR SW 5V": C19.2 C20.2 D4.K L1.1 U5.6
SETI: R20.2 U3.8
SWCLK: J5.4 U1.49
SWDIO: J5.2 U1.46
"USART 1_RX": P1.2 U1.43
"USART 1_TX": P1.1 U1.42
"USB DM": R22.2 U1.44
"USB DP": R21.2 U1.45
UVLO: R14.1 R18.2 U3.2
UVOV: DS3.2 U3.7
VUSB: J10.1
pads on no net: IC1.7 IC2.7 J1.M J2.M J3.M J4.M J5.6 J5.7 J5.8 J6.M J7.M J8.NC J9.NC J10.M U1.2 U1.3 U1.4 U1.8 U1.9 U1.10 U1.11 U1.14 U1.15 U1.16 U1.17 U1.20 U1.21 U1.22 U1.23 U1.24 U1.25 U1.26 U1.27 U1.28 U1.29 U1.30 U1.37 U1.38 U1.39 U1.40 U1.41 U1.50 U1.51 U1.52 U1.53 U1.54 U1.55 U1.56 U1.59 U1.61 U1.62 U3.5

## Text inside footprints (layer, text, board x,y; h text height)
J1: Top Overlay "1" at 5017.76,2612.1 h40 r270; Top Overlay "5" at 5015.51,2196.79 h40 r270; Top Overlay "PH x5 COMB" at 5165.93,2215.21 h40 r90; Top Overlay "1" at 4809.66,2622.5 h40 r270; Top Overlay "5" at 4809.81,2149.55 h40 r270
J2: Top Overlay "1" at 3959.29,2395.79 h40 r90; Top Overlay "2" at 3960.55,2582.76 h40 r90; Top Overlay "PH x4 COMB" at 3810.13,2600.03 h19.68 r270; Top Overlay "1" at 4148.54,2324.88 h40 r90; Top Overlay "2" at 4148.54,2638.86 h40 r90
J3: Top Overlay "2" at 4148.54,1923.31 h40 r90; Top Overlay "1" at 4148.54,1609.33 h40 r90; Top Overlay "PH x4 COMB" at 3810.13,1884.48 h19.68 r270; Top Overlay "2" at 3960.55,1867.2 h40 r90; Top Overlay "1" at 3959.29,1680.24 h40 r90
J4: Top Overlay "1" at 5017.76,1879.8 h40 r270; Top Overlay "5" at 5015.51,1464.49 h40 r270; Top Overlay "PH x5 COMB" at 5165.93,1482.91 h40 r90; Top Overlay "1" at 4809.66,1890.19 h40 r270; Top Overlay "5" at 4809.81,1417.25 h40 r270
J6: Top Overlay "8" at 6741.62,2274.92 h40 r270; Top Overlay "1" at 6750.48,2904.84 h40 r270; Top Overlay "PH x8 SMD" at 6894.09,2366.46 h40 r90
J7: Top Overlay "8" at 6741.62,1295.59 h40 r270; Top Overlay "1" at 6750.48,1925.51 h40 r270; Top Overlay "PH x8 SMD" at 6894.09,1387.13 h40 r90
J8: Top Overlay "1" at 2267.88,4595.31 h60 r270; Top Overlay "7" at 2130.08,4603.19 h60 r270; Top Overlay "6" at 2271.82,3737.05 h60 r270; Top Overlay "12" at 2130.08,3760.67 h60 r270
J9: Top Overlay "1" at 2267.87,3062.83 h60 r270; Top Overlay "7" at 2130.08,3070.71 h60 r270; Top Overlay "6" at 2271.81,2204.57 h60 r270; Top Overlay "12" at 2130.08,2228.19 h60 r270
J10: Top Overlay "4" at 2831.12,4588.63 h40; Top Overlay "1" at 2478.98,4589.03 h40; Top Overlay "PH x4 COMB" at 2812.04,4946.13 h29.53 r180; Top Overlay "4" at 2824.37,4792.13 h40; Top Overlay "1" at 2489.37,4797.13 h40
U1: Top Overlay "LQFP64" at 4495.74,3741.19 h60 r45; Top Overlay "105RC" at 4412.22,3824.7 h60 r45; Top Overlay "STM32F" at 4353.76,3883.16 h60 r45